# KiCad board scanhead_pcb.kicad_pcb (continued)
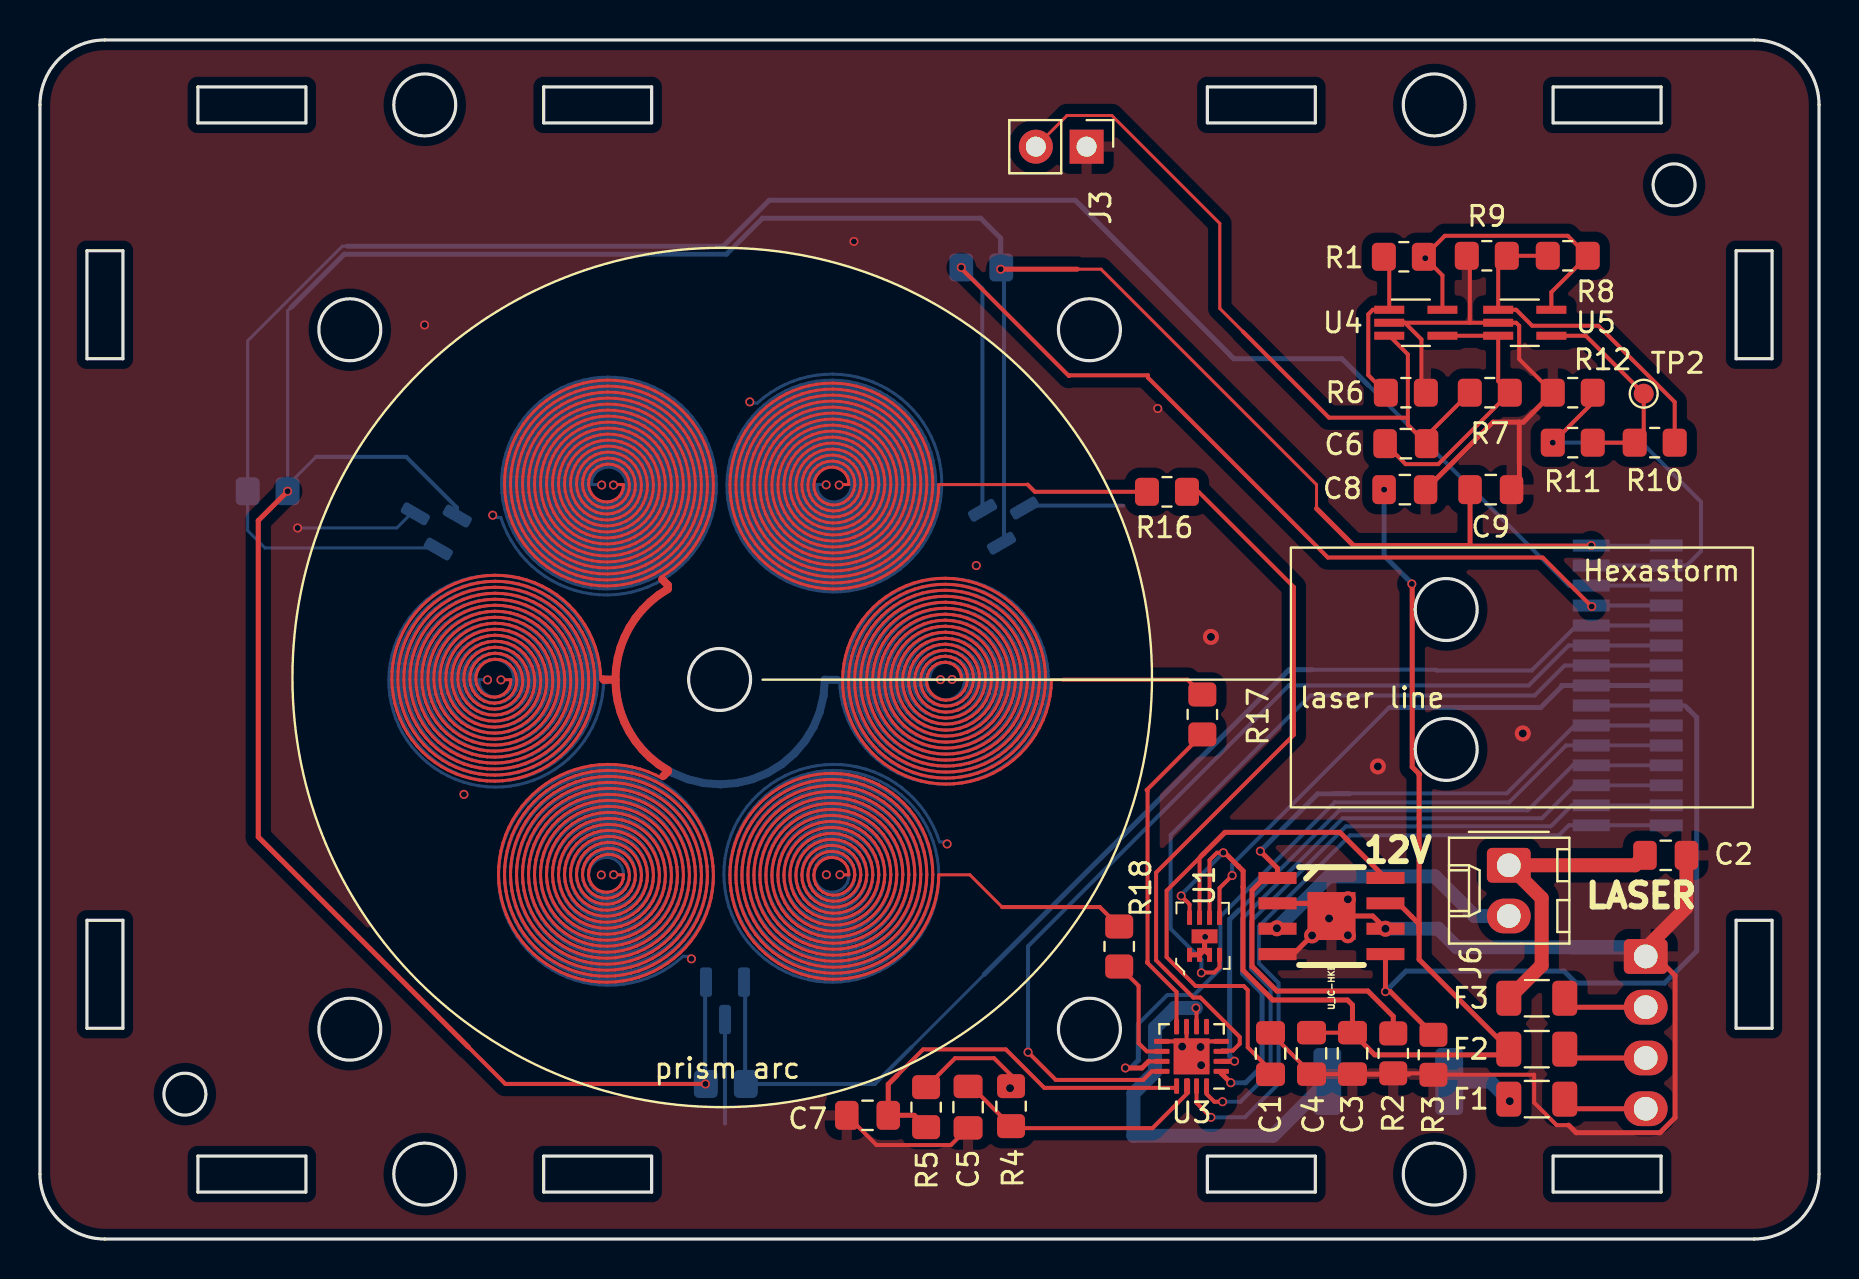
[diagram p0: board, top side]
## Routing (per net, layer and track width the routed paths; a pad name or vN(x,y) marks a point on that pad's centre or on a via; arc(x,y) is an arc through that point) (continued)
POT_SCL: length 28.6
  Top w0.2: v2(59.64,18.19) 59.01,17.56 U1.5
  Bottom w0.2: 67.79,26.6 67.5,26.6 59.64,18.74 v2(59.64,18.19)
  Bottom w0.25: 81.36,27.7 J2.8 76.13,27.7 76.13,27.65 75.08,26.6 67.58,26.6
POT_SDA: length 37.5
  Top w0.2: U1.4 59.01,13.6 58.75,13.34 58.12,13.34 v2(58.1,13.32)
  Bottom w0.2: v2(58.1,13.32) 58.1,13.99 56.57,15.52 56.57,20.22 63.55,27.2 74.78,27.2 76.28,28.7 J2.9 81.36,28.7
POT_W: length 29.2
  Top w0.2: 58.08,19.15 58.01,19.08 U1.7 ; 58.23,19.3 56.36,17.43 56.36,14.11 57.81,12.66 60.22,12.66 60.42,12.46 60.42,9.59 61.7,8.31
  Top w0.25: U2.8 65.03,20.35 59.28,20.35 58.08,19.15
PWM1H: length 33.2
  Top w0.25: U3.2 59.75,8.89 v2(59.76,8.9)
  Bottom w0.2: 81.36,23.7 J2.4 76.68,23.7 74.43,21.45 65,21.45 59.77,16.22
  Bottom w0.25: v2(59.76,8.9) 59.52,9.14 59.52,16.01 59.97,16.46
PWM1L: length 34.4
  Top w0.25: v2(59.57,7.82) 59.1,8.29 U3.1
  Bottom w0.2: 60.16,16.05 65.16,21.05 75.13,21.05 76.78,22.7 J2.3 81.36,22.7
  Bottom w0.25: v2(59.57,7.82) 60.31,7.82 61.14,8.65 61.14,12.31 60.16,13.29 60.16,16.01
PWM2H: length 35.5
  Top w0.2: U3.16 58.36,7.26 58.75,6.87 v2(59.16,6.87)
  Bottom w0.2: 81.36,21.7 J2.2 76.63,21.7 75.58,20.65 65.33,20.65 60.58,15.9 60.58,13.51 61.56,12.53 61.56,8.37 60.06,6.87 v2(59.16,6.87)
PWM2L: length 36.7
  Top w0.2: v2(58.58,6.09) 57.86,6.81 U3.15
  Bottom w0.2: 81.36,20.7 J2.1 76.48,20.7 75.98,20.2 65.54,20.2 60.98,15.64 60.98,13.79 61.96,12.81 61.96,7.77 60.28,6.09 v2(58.58,6.09)
PWM3H: length 50.9
  Top w0.2: U3.12 55.62,8.39 55.19,7.96 50.82,7.96 v2(49.43,9.35)
  Bottom w0.2: 81.36,29.7 J2.10 76.48,29.7 74.48,27.7 62.48,27.7 49.43,14.65 v2(49.43,9.35)
PWM3L: length 38.3
  Top w0.2: 55.46,8.89 U3.11
  Top w0.25: 55.46,8.89 55.13,8.56 v2(54.3,8.56)
  Bottom w0.2: 54.95,10.76 56.4,12.21 57.73,12.21 59.05,13.53 59.05,16.14 64.76,21.85 73.5,21.85 76.35,24.7 J2.5 81.36,24.7
  Bottom w0.25: v2(54.3,8.56) 54.56,8.56 54.95,8.95 54.95,10.76
Net-(C5-Pad1): length 13.5
  Top w0.2: U3.14 57.36,7.86 57.44,7.94 57.44,7.33 55.66,5.55 48.68,5.55 R4.2 46.59,7.64 C5.1
Net-(C6-Pad2): length 37.6
  Top w0.15: J3.2 51.38,56.22 53.62,56.22 59.02,50.82 59.02,46.56 60.18,45.41
  Top w0.2: 60.18,45.41 64.49,41.1 68.43,41.1 ; U4.3 68.43,44.27 68.43,41.1 ; 68.43,41.1 68.43,40.74 C6.2 69.37,40.19 R7.1
Net-(C7-Pad1): length 19.7
  Top w0.2: 42.89,8.19 44.18,9.49 48.32,9.49 50.24,7.56 56.77,7.56 U3.13
  Top w0.25: 42.89,8.19 42.44,7.74 C7.1 43.74,6.19 R5.2
Net-(F1-Pad1): length 4.2
  Top w0.25: J1.4 76.76,6.52 F1.1
Net-(F1-Pad2): length 3.4
  Bottom w0.7: v1(73.53,6.9) 72.55,7.88 R19.1
Net-(F2-Pad1): length 4.2
  Top w0.25: F2.1 76.72,9.06 J1.3
Net-(F3-Pad2): length 4.2
  Top w0.25: F3.2 76.73,11.6 J1.2
Net-(R1-Pad1): length 8.2
  Top w0.2: R1.1 67.5,48.88 U4.1 66.68,46.5 66.45,46.27 66.45,43.23 R6.2
Net-(R10-Pad1): length 10.6
  Top w0.2: U5.4 77.33,45.2 TP2.1 80.23,40.3 R10.1 R11.2
Net-(R10-Pad2): length 17.7
  Top w0.2: R8.1 R9.2 72.95,48.77 U5.1 73.85,46.5 74.65,45.7 77.96,45.7 81.78,41.88 R10.2
Net-(R16-Pad1): length 36
  Top w0.2: U3.3 59.14,9.43 59.68,9.43 60.02,9.77 60.02,10.11 58.05,12.08 57.7,12.08 55.83,13.95 55.83,18.33 62.73,25.23 62.73,32.62 57.96,37.39 R16.1
Net-(R17-Pad1): length 16.4
  Top w0.2: U3.8 56.86,12.36 55.38,13.84 55.41,13.87 55.41,22.42 55.36,22.46 R17.1
Net-(R18-Pad1): length 5.6
  Top w0.2: U3.10 55.37,9.39 54.96,9.8 54.96,12.67 R18.1

## Copper pours and planes (outline as drawn; the poured copper is in the pictures)
GND on Top, Bottom, In1.Cu, In2.Cu: -0.12,60.16 88.97,60.18 89.42,-0.18 0.23,-0.18

## Text on the board
B.Silkscreen: 10V | 12V | 5V | GND
F.Silkscreen: prism arc | laser line | Hexastorm | 12V | LASER
